# Altium PCB RobotCtrl_Func.PcbDoc (continued)
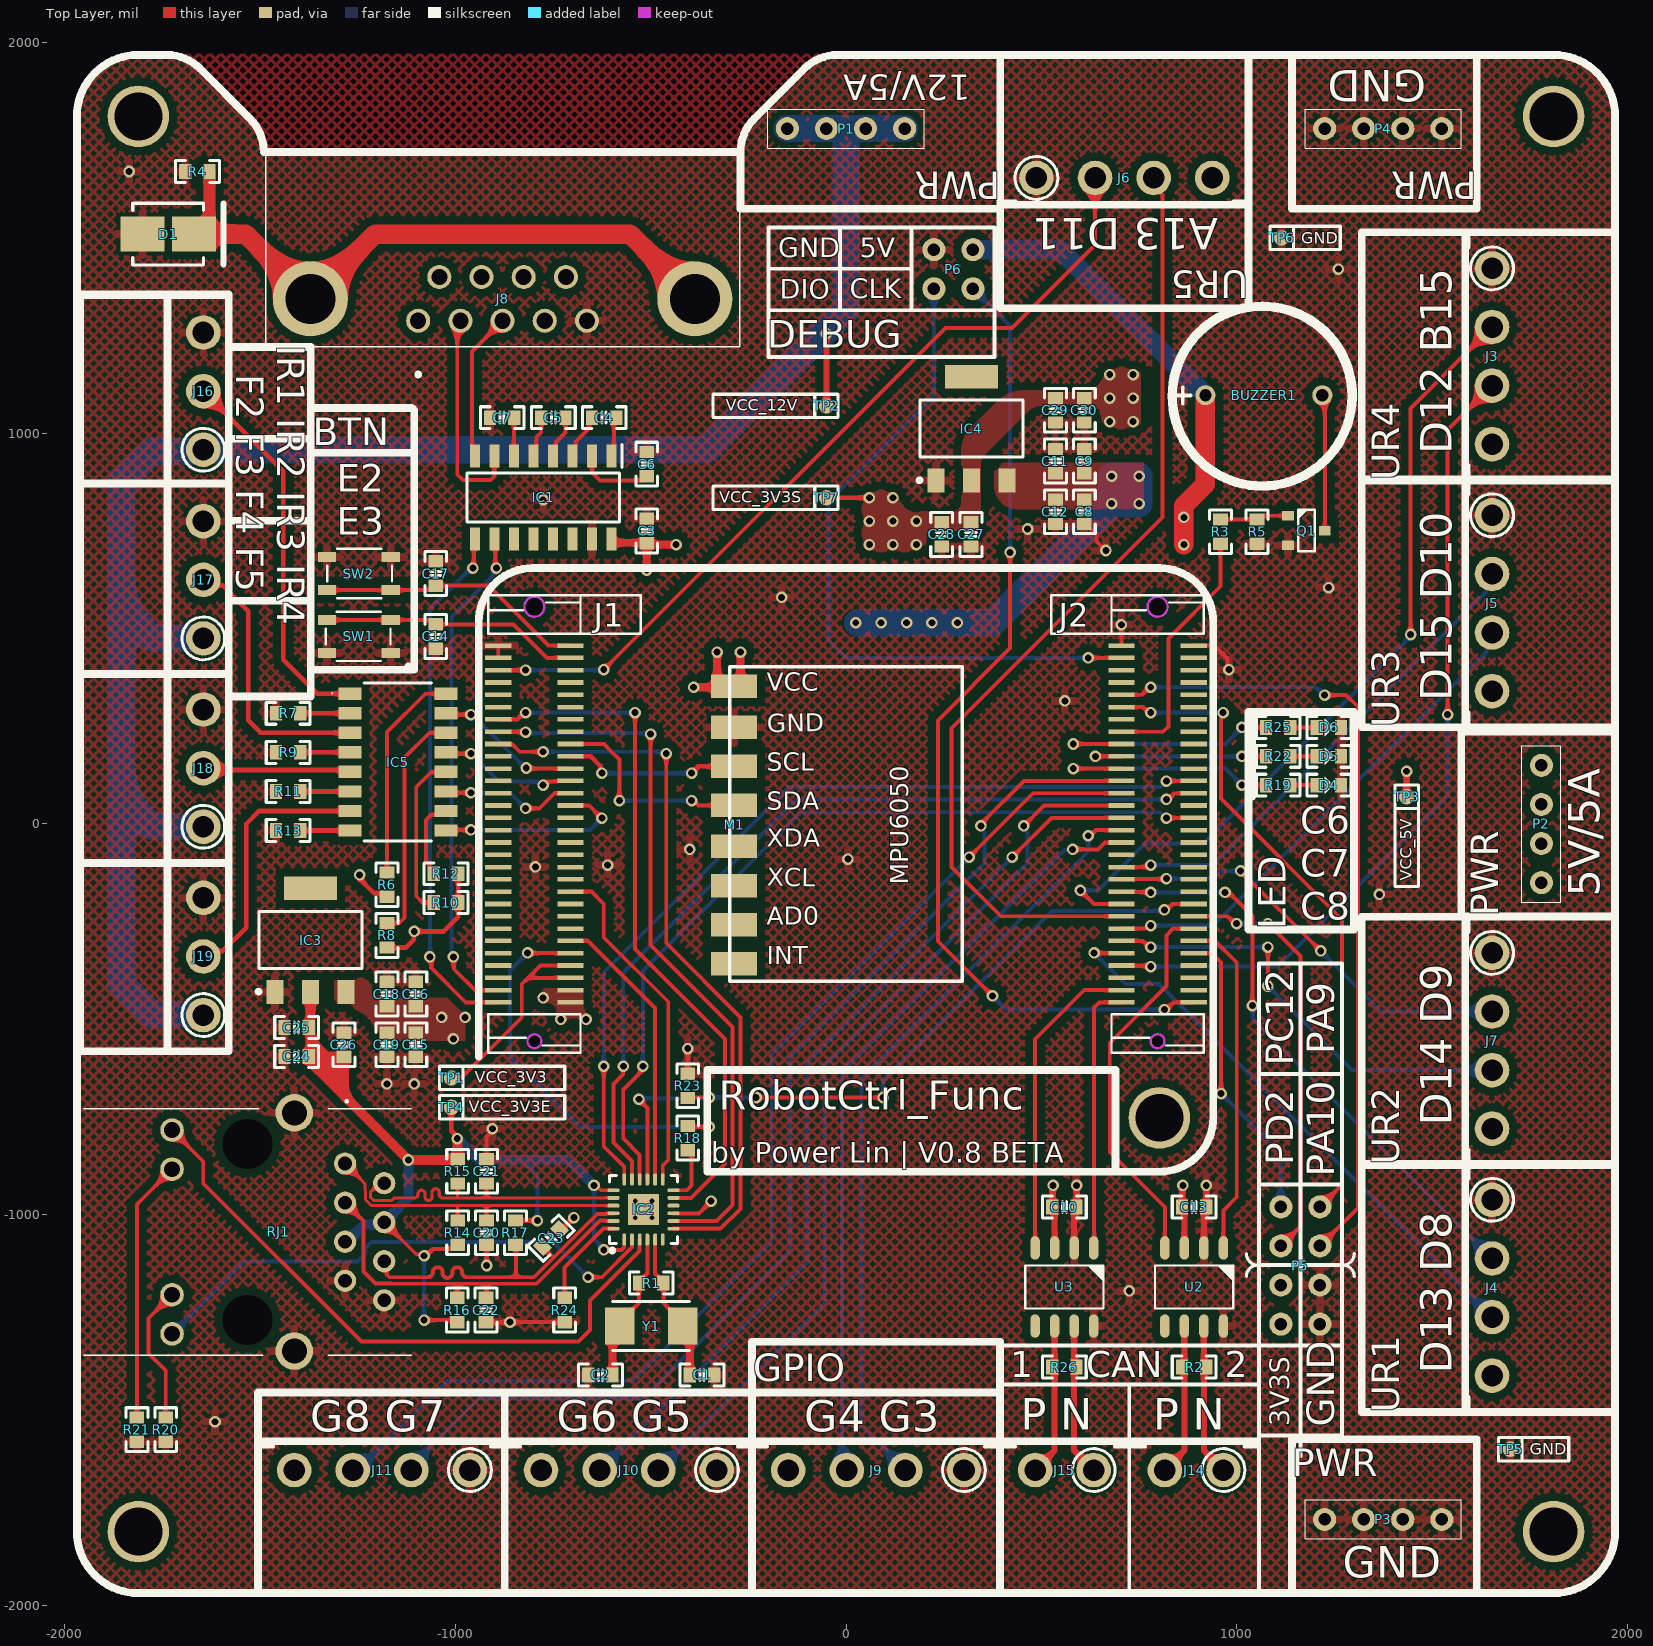
[diagram p0: Top Layer view]
## Footprints (in the part's own frame and the unit in brackets; to place one, negate y for a bottom-side part, rotate by r counter-clockwise, add the part's x,y. Pads: shape width x height; smd on the part's side, far side on the other; paste and mask are expansions set on the pad) (continued)
SMD5032-2P [mm]
  rect 1.9x2.4 smd: 1(-2.05,0) 2(2.05,0)
  silkscreen extent -2.5,-1.6 2.5,1.6, body extent -2.81,-1.6 2.81,1.6, height 1.5
SOIC-16_150mil [mm]
  rect 1.5x0.65 smd: 1(-2.7,4.445) 2(-2.7,3.175) 3(-2.7,1.905) 4(-2.7,0.635) 5(-2.7,-0.635) 6(-2.7,-1.905) 7(-2.7,-3.175) 8(-2.7,-4.445) 9(2.7,-4.445) 10(2.7,-3.175) 11(2.7,-1.905) 12(2.7,-0.635) 13(2.7,0.635) 14(2.7,1.905) 15(2.7,3.175) 16(2.7,4.445)
  silkscreen extent -3.45,-4.95 1.6,5.12, body extent -3,-4.95 3,4.95, height 1.75
SOIC_8 [mil]
  oval 24x60 smd: 1(-75,-100.02) 2(-25,-100.02) 3(25,-100.02) 4(75,-100.02) 5(75,99.98) 6(25,99.98) 7(-25,99.98) 8(-75,99.98)
  silkscreen extent -100,-55 100,55, body extent -96,-118 96,118, height 69
SOT-23-3 [mil]
  rect 30x24 smd: 1(47,-38) 2(47,38) 3(-47,0)
  silkscreen extent -21,-53 21,53, body extent -55,-57 55,57, height 51
SOT-223 [mm]
  rect 1.1x1.55 smd: 1(-2.91,-3.197) 2(-0.61,-3.197) 3(1.69,-3.197)
  rect 3.45x1.55 smd: 4(-0.61,3.553)
  silkscreen extent -4.11,-3.3 2.74,2.03, body extent -3.88,-3.38 2.62,3.58, height 1.7
TestPoint [mm]
  round 1 smd: 1(0,0)
"Through Hole,P=2.77mm" [mil]
  round 61.46 hole 40.98: 1(0,0) 2(-107.99,0) 3(-215.98,0) 4(-323.98,0) 5(-431.97,0) 6(-54.02,-111.97) 7(-162.01,-111.97) 8(-270,-111.97) 9(-377.99,-111.97)
  round 192.01 hole 128: MH1(-707.99,-55.98) MH2(276.02,-55.98)
  silkscreen extent -822,-430 391,141, body extent -826,-679 394,65, height 477

## Part data
BUZZER1: library part BUZZER, "YS-MBZ12095DYB05 有源蜂鸣器"
C1 C2 C3 C4 C5 C6 C7 C8 C9 C10 C11 C12 C13 C14 C15 C16 C17 C18 C19 C20 C21 C22 C23 C24 C25 C26 C27 C28 C29 C30: library part CAP, "贴片电容", Package=0402, SuppliersPartNumber=C52923, ComponentLink1Description=供应商链接, ComponentLink1URL=http://www.szlcsc.com/product/details_53938.html, Supplier=LC
D1: library part TVS_C
D4 D5 D6: library part LED, "发光二极管", Package=0603, SuppliersPartNumber=C2290, ComponentLink1Description=供应商链接, ComponentLink1URL=http://www.szlcsc.com/product/details_2663.html, Supplier=LC
IC1: library part SP3232EEN, "RS232 芯片", Manufacturer_Name=MaxLinear, Mouser Part Number=701-SP3232EEN-L/TR, Arrow Part Number=SP3232EEN-L/TR, Arrow Price/Stock=https://www.arrow.com/en/products/sp3232een-ltr/maxlinear-inc, Datasheet Link=https://www.maxlinear.com/ds/sp3222e_sp3232e.pdf, Height=1.75mm, Manufacturer_Part_Number=SP3232EEN-L/TR, Mouser Price/Stock=https://www.mouser.co.uk/ProductDetail/MaxLinear/SP3232EEN-L-TR?qs=Hy8V1%2FADhVKNh9v9NvoeCw%3D%3D
IC2: "Integrated Circuit", Manufacturer_Name=Microchip, Mouser Part Number=886-LAN8720A-CP-TR, Arrow Part Number=LAN8720A-CP-TR, Arrow Price/Stock=https://www.arrow.com/en/products/lan8720a-cp-tr/microchip-technology?region=nac, Datasheet Link=https://componentsearchengine.com/Datasheets/1/LAN8720A-CP-TR.pdf, Height=1mm, Manufacturer_Part_Number=LAN8720A-CP-TR, Mouser Price/Stock=https://www.mouser.co.uk/ProductDetail/Microchip-Technology/LAN8720A-CP-TR?qs=pA5MXup5wxG3QiSvrqf%2FHQ%3D%3D
IC3 IC4: library part AMS1117, "AMS1117-3.3 1.0A", Manufacturer_Name=Nexperia, Manufacturer_Part_Number=SI2302DS, Mouser Part Number=N/A, RS Part Number=7983053P, Datasheet Link=https://assets.nexperia.com/documents/data-sheet/SI2302DS.pdf, Height=1.1mm, Mouser Price/Stock=https://www.mouser.com/Search/Refine.aspx?Keyword=N%2FA, RS Price/Stock=http://uk.rs-online.com/web/p/products/7983053P
IC5: "Integrated Circuit", Manufacturer_Name=Lite-On, Mouser Part Number=859-LTV-247, Arrow Part Number=LTV-247, Arrow Price/Stock=https://www.arrow.com/en/products/ltv-247/lite-on-technology?region=nac, Datasheet Link=http://optoelectronics.liteon.com/upload/download/DS70-2009-0014/LTV-2X7%20sereis%20Mar17.PDF, Height=2.42mm, Manufacturer_Part_Number=LTV-247, Mouser Price/Stock=https://www.mouser.co.uk/ProductDetail/Lite-On/LTV-247?qs=9ayhpukWNmvWpoxQBzWkFA%3D%3D
J1 J2: library part 3710M/F, "B2B Connector", System=Connector
J3 J4 J5 J6 J7 J9 J10 J11: "TERM BLOCK HDR 4POS 90DEG 3.81MM", Color=Green, Current - UL=10A, Manufacturer="Amphenol Anytek", Manufacturer Part Number=OQ0432510000G, Operating Temperature="-40°C ~ 115°C", Voltage - UL=300V, Component Type=接线端子, ComponentLink1Description=Datasheet, ComponentLink1URL=http://portal.fciconnect.com/Comergent//fci/drawing/oqxx32x100j0g.pdf, Contact Mating Finish=Tin, Header Orientation="90°, Right Angle", LastUpdated="2019-12-16 19:15:03.463", Lifecycle Status=0, Minimum Order=1, Mounting Type="Through Hole", Number of Levels=1, Number of Positions=4, Packaging=Bulk, Part Number=OQ0432510000G, Part Status=Active, Pitch="0.150\" (3.81mm)", Positions Per Level=4, Price=0.71, Series=06-381, Termination Style=Solder, Type="Header, Male Pins, Shrouded (4 Side)"
J8: library part DB9, "D-Sub 连接器", Arrow Part Number=5747844-5, Manufacturer_Name="TE Connectivity", Mouser Part Number=571-5747844-5, Arrow Price/Stock=https://www.arrow.com/en/products/5747844-5/te-connectivity, Datasheet Link=http://www.te.com/commerce/DocumentDelivery/DDEController?Action=srchrtrv&DocNm=82068_AMPLIMITE_Right-Angle_Posted_Conn&DocType=Catalog+Section&DocLang=English&PartCntxt=, Height=12.9286mm, Manufacturer_Part_Number=5747844-5, Mouser Price/Stock=https://www.mouser.co.uk/ProductDetail/TE-Connectivity/5747844-5?qs=x6EjVpvqMVPrkQsJHUlJGw%3D%3D
J14 J15: "TERM BLOCK HDR 2POS 90DEG 3.81MM", Color=Green, Current - UL=10A, Manufacturer="Amphenol Anytek", Manufacturer Part Number=OQ0232510000G, Operating Temperature="-40°C ~ 115°C", Voltage - UL=300V, Component Type=接线端子, ComponentLink1Description=Datasheet, ComponentLink1URL=http://portal.fciconnect.com/Comergent//fci/drawing/oqxx32x100j0g.pdf, Contact Mating Finish=Tin, Header Orientation="90°, Right Angle", LastUpdated="2019-12-16 19:14:30.110", Lifecycle Status=0, Minimum Order=1, Mounting Type="Through Hole", Number of Levels=1, Number of Positions=2, Packaging=Bulk, Part Number=OQ0232510000G, Part Status=Active, Pitch="0.150\" (3.81mm)", Positions Per Level=2, Price=0.49, Series=06-381, Termination Style=Solder, Type="Header, Male Pins, Shrouded (4 Side)"
J16 J17 J18 J19: "TERM BLOCK HDR 3POS 90DEG 3.81MM", Color=Green, Current - UL=10A, Manufacturer="Amphenol Anytek", Manufacturer Part Number=OQ0332510000G, Operating Temperature="-40°C ~ 115°C", Voltage - UL=300V, Component Type=接线端子, ComponentLink1Description=Datasheet, ComponentLink1URL=http://portal.fciconnect.com/Comergent//fci/drawing/oqxx32x100j0g.pdf, Contact Mating Finish=Tin, Header Orientation="90°, Right Angle", LastUpdated="2019-12-16 19:14:45.877", Lifecycle Status=0, Minimum Order=1, Mounting Type="Through Hole", Number of Levels=1, Number of Positions=3, Packaging=Bulk, Part Number=OQ0332510000G, Part Status=Active, Pitch="0.150\" (3.81mm)", Positions Per Level=3, Price=0.53, Series=06-381, Termination Style=Solder, Type="Header, Male Pins, Shrouded (4 Side)"
M1: "MPU6050 陀螺仪"
P1 P2 P3 P4 P5 P6: "Header"
  P1 P2 P3 P4: System=Connector
Q1: library part BJT_NPN
R1 R2 R3 R4 R5 R14 R15 R16 R17 R18 R19 R20 R21 R22 R23 R24 R25 R26: library part RES, "贴片电阻", Package=0805, SuppliersPartNumber=C17798, Supplier=LC
R6 R7 R8 R9 R10 R11 R12 R13: library part RES, "216R~540R, higer is better", Package=0805, SuppliersPartNumber=C17798, Supplier=LC
RJ1: library part RJ45_LED, "内置变压器的RJ45"
SW1 SW2: "按键开关"
TP1 TP2 TP3 TP4 TP5 TP6 TP7: "测试点"
U2 U3: "CAN 控制器（5V）"
Y1: library part Crystal, "TAXM25M2QLFCDT1T", Package=SMD-3215_2P, SuppliersPartNumber=C32346, ComponentLink1Description=供应商链接, ComponentLink1URL=http://www.szlcsc.com/product/details_33310.html, Supplier=LC

## Free pads (board coordinates)
  round 39.37 hole 39.37: 0(-797.48,-556.1) 0(797.48,-556.1)
  round 51.18 hole 51.18: 0(-797.48,556.1) 0(797.48,556.1)
  round 157.48 hole 122.05: 0(802.2,-752.2) 2(-1811.02,-1811.02) 2(-1811.02,1811.02) 2(1811.02,-1811.02) 2(1811.02,1811.02)

## Via types
v1: diameter 29.53, hole 17.72, Top Layer to Bottom Layer, 153 vias
v2: diameter 23.86, hole 11.81, Top Layer to Bottom Layer, 4 vias

## Nets (pads, with @x,y where several pads share a name; then routed paths per layer and width w, separated by ;. In a path a pad name is that pad's centre, name@x,y a point inside that pad or via, vN(x,y) a via of type N, cw(c..) or ccw(c..) an arc to the next point about the centre after c; other vN are vias at no path point)
CAN1_N: J14.2 R2.2 U2.6 | length 389.2
  Top Layer w15: J14.2 866,-1603.5 U2.6
CAN1_P: J14.1 R2.1 U2.7 | length 389.2
  Top Layer w15: U2.7 916,-1603.5 J14.1
CAN2_N: J15.2 R26.2 U3.6 | length 389.2
  Top Layer w15: J15.2 534,-1603.5 U3.6
CAN2_P: J15.1 R26.1 U3.7 | length 389.2
  Top Layer w15: U3.7 584,-1603.5 J15.1
GND: C1.1 C2.1 C3.1 C6.1 C7.1 C8.1 C9.1 C10.1 C11.1 C12.1 C13.1 C14.1 C15.1 C16.1 C17.1 C18.1 C19.1 C20.1 C21.1 C22.1 C23.1 C24.1 C25.1 C26.1 C27.1 C28.1 C29.1 C30.1 D1.1 D4.2 D5.2 D6.2 IC1.15 IC2.25 IC3.1 IC4.1 J1.31 J1.32 J2.30 J2.31 J3.1 J4.1 J5.1 J6.1 J7.1 J8.5 J9.1 J10.1 J11.1 J16.3 J17.3 J18.3 J19.3 M1.2 P3.1 P3.2 P3.3 P3.4 P4.1 P4.2 P4.3 P4.4 P5.1 P5.3 P6.1 Q1.2 R4.1 R5.1 R7.2 R9.2 R11.2 R13.2 R20.1 R21.1 R23.2 R24.2 RJ1.7 RJ1.8 RJ1.MH1 RJ1.MH2 SW1.2 SW2.2 TP5.1 TP6.1 U2.2 U2.8 U3.2 U3.8 | length 1084.3
  Top Layer w10: C22.1 v1(-860,-1275) R24.2 ; v1(-920,-1130) C20.1 ; C21.1 -920,-800.28 -905,-785.28 v1(-905,-780) ; J1.32 J1.31 ; C23.1 -727.27,-1038.01 v1(-696.58,-1007.31) ; R23.2 v1(-405,-575) ; C8.1 613.15,767.91 641.26,739.8 641.26,723.74 v1(665,700) ; J2.31 J2.31 v1(705,510) ; J2.30 943.31,456.69 976.26,423.74 976.26,398.74 v1(980,395)
  Top Layer w15: U3.2 584,-986.6 C10.1 ; v1(590,-925) 590.05,-925.05 590.05,-980.45 C10.1 ; C10.1@590.35,-980.25 C10.1 ; U2.2 916,-986.6 C13.1@922.35,-980.25 ; v1(922,-925) 922.05,-925.05 C13.1@922.05,-980.45
  other v1: -1615,-1530 725,-1195 -1175,-665 -1105,-665 1365,-180 -795,-110 -610,-105 5,-90 -400,-65 560,315 -165,580 1235,605 465,755 -775,830 1260,1420 -1835,1670
  other v2: -539.88,-1008.2 -496.57,-1008.2 -539.88,-964.9 -496.57,-964.9
IR1: IC5.1 J16.2 | length 978.8
  Top Layer w12: J16.2 -1440,903 -1440,420 -1353.36,333.36 IC5.1
IR2: IC5.3 J17.2 | length 701.2
  Top Layer w12: J17.2 -1630.45,610.45 -1595.45,610.45 -1530,545 -1530,265 -1498.36,233.36 IC5.3
IR3: IC5.5 J18.2 | length 379
  Top Layer w12: J18.2 -1640.18,138.18 -1274.82,138.18 IC5.5
IR4: IC5.7 J19.2 | length 684.5
  Top Layer w12: J19.2 -1630.95,-324.95 -1594.95,-324.95 -1535,-265 -1535,0 -1501.64,33.36 IC5.7
LED_LINK: IC2.3 RJ1.9 | length 1624.2
  Top Layer w10: RJ1.9 -1645,-863.35 -1645,-920 -1240,-1325 -685,-1325 -655,-1295 -655,-1220 -528.07,-1093.07 IC2.3
LED_SPEED: IC2.2 RJ1.12 | length 1372.1
  Top Layer w10: v1(-660,-1160) -625,-1160 -547.76,-1082.76 IC2.2
  Bottom Layer w10: RJ1.12 -1540,-1120 -1250,-1120 -1230,-1100 -1230,-1085 -1215,-1070 -750,-1070 v1(-660,-1160)
NetBUZZER1_2: BUZZER1.2 Q1.3 | length 349
  Top Layer w10: BUZZER1.2@1219.61,1097.57 1225.5,1091.68 Q1.3
NetC4_1: C4.1 IC1.3 | length 118.5
  Top Layer w10: IC1.3 -692.2,949.99 -692.2,977.8 -657.93,1012.07 -657.93,1032.07 C4.1
NetC4_2: C4.2 IC1.1 | length 102.9
  Top Layer w10: IC1.1 -594.26,947.94 -594.26,1033.53 C4.2
NetC5_1: C5.1 IC1.5 | length 106.1
  Top Layer w10: IC1.5 -792.53,949.67 -792.53,989.99 -780,1002.52 C5.1
NetC5_2: C5.2 IC1.4 | length 111.1
  Top Layer w10: IC1.4 -742.2,949.99 -742.2,977.8 -717.8,1002.2 C5.2
NetC6_2: C6.2 IC1.2 | length 195.2
  Top Layer w10: IC1.2 -650,900 -629.25,879.25 -520.75,879.25 C6.2
NetC7_2: C7.2 IC1.6 | length 98.3
  Top Layer w10: IC1.6 -850,1038.9 C7.2
NetD1_2: D1.2 J8.MH1 J8.MH2 R4.2 | length 1660.4
  Top Layer w30: D1.2 -1658.19,1510 -1628.9,1539.29 R4.2
  Top Layer w50: D1.2@-1658.19,1510 -1537.01,1510 J8.MH2 -1205.04,1510 -552.99,1510 J8.MH1
NetD4_A: D4.1 R19.1 | length 67.7
  Top Layer w10: R19.1 D4.1
NetD5_A: D5.1 R22.1 | length 67.7
  Top Layer w10: R22.1 D5.1
NetD6_A: D6.1 R25.1 | length 67.7
  Top Layer w10: R25.1 D6.1
NetIC2_12: IC2.12 R18.1 | length 145.7
  Top Layer w10: IC2.12 -407.34,-937.34 -395,-925 -395,-845 R18.1
NetIC2_24: IC2.24 R24.1 | length 235
  Top Layer w10: R24.1@-720,-1203.9 -720,-1135 -620.76,-1035.76 IC2.24
NetIC5_2: IC5.2 R7.1 | length 126.8
  Top Layer w12: R7.1 IC5.2
NetIC5_4: IC5.4 R9.1 | length 126.8
  Top Layer w12: R9.1 IC5.4
NetIC5_6: IC5.6 R11.1 | length 126.8
  Top Layer w12: R11.1 IC5.6
NetIC5_8: IC5.8 R13.1 | length 126.8
  Top Layer w12: R13.1 IC5.8
NetIC5_9: IC5.9 R6.2 | length 551
  Top Layer w10: R6.2 -1175,235 -1076.64,333.36 IC5.9
NetIC5_11: IC5.11 R8.2 | length 593.1
  Top Layer w10: R8.2 -1144.07,-254.07 -1130,-240 -1130,170 -1066.64,233.36 IC5.11
NetIC5_13: IC5.13 R10.2 | length 423.7
  Top Layer w10: R10.2 -1083.83,-201.17 -1100,-185 -1100,95 -1062.61,132.39 -1024.9,132.39 IC5.13
NetIC5_15: IC5.15 R12.2 | length 206.3
  Top Layer w10: R12.2 -1065.75,-116.54 -1065.75,-104.25 -1075,-95 -1075,10 -1061.03,23.97 -1033.33,23.97 IC5.15
NetQ1_1: Q1.1 R3.2 R5.2 | length 177
  Top Layer w10: R3.2 R5.2 1061.75,789 Q1.1
NetR20_2: R20.2 RJ1.11 | length 356.9
  Top Layer w10: R20.2 -1741.12,-1398.88 -1785,-1355 -1785,-1265 RJ1.11
NetR21_2: R21.2 RJ1.10 | length 672.8
  Top Layer w10: R21.2 -1815,-973.35 RJ1.10
PA0: J1.7
PA1: IC2.14 J1.6 | length 726
  Top Layer w10: J1.6 -660.79,-299.21 -488.7,-471.3 IC2.14
PA2: J1.5 R18.2 | length 1034.4
  Top Layer w10: v1(-815,-330) -814.65,-330.35 -705.31,-330.35 J1.5 ; R18.2 -402.8,-775 v1(-350,-775)
  Bottom Layer w10: v1(-815,-330) -860,-375 -860,-595 -680,-775 v1(-350,-775)
PA3: J1.33 J6.2 | length 2146.5
  Top Layer w10: J1.33@-889.7,394 v1(-820,394) ; v1(-620,395) 255,1270 425,1270 637.4,1482.4 J6.2
  Bottom Layer w10: v1(-820,394) v1@-622.14,394
PA4: J1.34
PA5: J1.35
PA6: J1.36
PA7: IC2.11 J1.37 | length 1774.9
  Top Layer w10: J1.37 -841.54,267.72 -824.25,285 v1(-820,285) ; v1(-540,285) -540,-320 -310,-550 -310,-870 -397.02,-957.02 IC2.11
  Bottom Layer w10: v1(-820,285) v1(-540,285)
PA8: J2.37
PA9: J2.36 P5.7 | length 1685
  Top Layer w10: J2.36 760.5,299.21 774.72,285 v1(780,285) ; v1(965,285) 961.26,281.26 961.26,270.64 960,269.38 960,65 1270,-245 1270,-923 P5.7
  Bottom Layer w10: v1(780,285) v1(965,285)
PA10: J2.35 P5.5 | length 2053.9
  Top Layer w10: J2.35 757.2,330.71 776.49,350 v1(780,350) ; P5.5 1310,-983 1310,300 1280,330 v1(1225,330)
  Bottom Layer w10: v1(780,350) 1202.91,350 1222.91,330 v1(1225,330)
PA11: J2.34
PA12: J2.33
PA13: J2.32 P6.3 | length 1780.5
  Top Layer w10: v1(620,425) 620.1,425.1 704.86,425.1 J2.32
  Bottom Layer w10: P6.3 225,1095 -45,825 -45,470 0,425 v1(620,425)
PA14: J2.1 P6.4 | length 2521.1
  Top Layer w10: v1(375,-440) 235,-300 235,265 420,450 v1(420,695) ; v1(815,-475) 820.28,-475 838.59,-456.69 J2.1
  Bottom Layer w10: P6.4 420,1275 v1(420,695) ; v1(375,-440) 410,-475 v1(815,-475)
PA15: J2.2
PB0: J1.40
PB1: J1.41
PB2: J1.42
PB3: J2.21
PB4: J2.22
PB5: J2.23
PB6: J2.24
PB7: J2.25
PB8: J2.26
PB9: J2.27
PB10: IC1.10 J1.59 | length 1289.2
  Top Layer w10: v1(-1005,-340) -1003.95,-341.05 -1003.95,-371.05 -949.8,-425.2 J1.59 ; IC1.10 -897.5,727.1 -897.5,657.5 v1(-895,655)
  Bottom Layer w10: v1(-1005,-340) -1008.74,-336.26 -1008.74,-326.26 -1010,-325 -1010,530 -898.74,641.26 -898.74,651.26 v1(-895,655)
PB11: IC1.9 J1.60 | length 1358.9
  Top Layer w10: v1(-1065,-340) -1061.26,-343.74 -1061.26,-368.74 -973.31,-456.69 -891.81,-456.69 -890.91,-457.6 J1.60 ; v1(-955,655) -952.5,657.5 -952.5,727.1 IC1.9
  Bottom Layer w10: v1(-1065,-340) -1065,550 -960,655 v1(-955,655)
PB12: J2.60 U3.1 | length 690.9
  Top Layer w10: U3.1 635,-1084 635,-470 648.31,-456.69 J2.60
PB13: J2.59 U3.4 | length 807.1
  Top Layer w10: U3.4 484,-551 609.8,-425.2 J2.59
PB14: J2.58
PB15: J2.57 J3.3 | length 2115.4
  Top Layer w10: J2.57 705.87,-363.11 778.11,-363.11 v1(780,-365) ; v1(1540,280) 1540,1008.46 J3.3
  Bottom Layer w10: v1(780,-365) 1105,-365 1540,70 v1(1540,280)
PC0: J1.11
PC1: IC2.13 J1.10 | length 877.1
  Top Layer w10: J1.10 -651.77,-173.23 -620,-205 -620,-290 -455,-455 -455,-860 -469.02,-874.02 IC2.13
PC2: J1.9
PC3: J1.8
PC4: IC2.8 J1.38 | length 1853
  Top Layer w10: J1.38 -889.39,235.61 -820.61,235.61 v1(-820,235) ; v1(-500,230) -500,-310 -290,-520 -290,-975 -331.08,-1016.08 IC2.8
  Bottom Layer w10: v1(-820,235) -817.5,232.5 -502.5,232.5 v1(-500,230)
PC5: IC2.7 J1.39 | length 1876.4
  Top Layer w10: J1.39 -889.09,203.82 -853.82,203.82 -835,185 v1(-775,185) ; v1(-460,180) -460,-305 -270,-495 -270,-985 -320.76,-1035.76 IC2.7
  Bottom Layer w10: v1(-775,185) -470.28,185 -465.28,180 v1(-460,180)
PC6: J2.41 R19.2 | length 634.1
  Top Layer w10: v1(581.73,141.73) J2.41 ; v1(1013.23,99.34) R19.2
  Bottom Layer w10: v1(581.73,141.73) 970.84,141.73 v1(1013.23,99.34)
PC7: J2.40 R22.2 | length 503.6
  Top Layer w10: v1(638.2,173.23) J2.40 ; v1(1013.23,173.23) R22.2
  Bottom Layer w10: v1(638.2,173.23) v1(1013.23,173.23)
PC8: J2.39 R25.2 | length 634.1
  Top Layer w10: v1(581.73,204.72) J2.39 ; v1(1013.23,247.11) R25.2
  Bottom Layer w10: v1(581.73,204.72) 970.84,204.72 v1(1013.23,247.11)
PC9: J2.38 R3.1 | length 648.1
  Top Layer w10: J2.38 811.22,236.22 825,250 825,475 958.5,608.5 R3.1
PC10: J2.3
PC11: J2.4
PC12: J2.5 P5.8 | length 768.4
  Top Layer w10: J2.5 935.71,-330.71 960,-355 v1(960,-690)
  Bottom Layer w10: v1(960,-690) 1113,-843 P5.8
PC13: J1.25
PC14: J1.24
PC15: J1.23
PD0: J2.6 U2.1 | length 877.2
  Top Layer w10: J2.6 944.21,-299.21 1000,-355 1000,-955 966,-989 U2.1
PD1: J2.7 U2.4 | length 995.6
  Top Layer w10: U2.4 816,-981 675,-840 675,-560 820,-415 820,-285 837.28,-267.72 J2.7
PD2: J2.8 P5.6 | length 1077.9
  Top Layer w10: J2.8 976.69,-236.22 995.47,-255 v1(1000,-255) ; v1(1080,-255) 1163.06,-338.06 1163.06,-1029.94 P5.6
  Bottom Layer w10: v1(1000,-255) v1(1080,-255)
PD3: IC2.15 J2.9 R23.1 | length 1923.2
  Top Layer w10: v1(-530.08,-704.43) -530.08,-705.2 -508.39,-726.9 IC2.15 ; R23.1 -403.9,-700 v1(-350,-700) ; v1(-230,-700) v1(95,-700) ; v1(815,-220) 820.28,-220 835.42,-204.86 889.86,-204.86 J2.9
  Bottom Layer w10: v1(-530.08,-704.43) -527.86,-702.22 -352.22,-702.22 v1(-350,-700) v1(-230,-700) ; v1(95,-700) 95,-655 527.5,-222.5 812.5,-222.5 v1(815,-220)
PD4: J2.10
PD5: J2.11
PD6: J2.12
PD7: J2.13
PD8: J2.56 J4.3 | length 1478.1
  Top Layer w10: v1(635,-330) 635.35,-330.35 704.61,-330.35 J2.56 ; J4.3@1650.27,-1262 J4.3
  Bottom Layer w10: v1(635,-330) 715,-410 801.54,-410 J4.3
PD9: J2.55 J7.3 | length 1144.1
  Top Layer w10: J2.55 758.93,-299.21 774.72,-315 v1(780,-315) ; v1(1080,-415) v1(1080,-315)
  Bottom Layer w10: v1(780,-315) v1(1080,-315) ; v1(1080,-415) 1294.92,-629.92 J7.3
PD10: J2.54 J5.3 | length 1283.8
  Top Layer w10: J2.54 767,-267.72 774.72,-260 v1(780,-260)
  Bottom Layer w10: v1(780,-260) 940,-260 1639.85,439.85 1639.85,476.3 J5.3
PD11: J2.53 J6.3 | length 2483.8
  Top Layer w10: J2.53 396.22,-236.22 270,-110 270,245 810,785 810,1609.68 787.4,1632.28 J6.3
PD12: J2.52 J3.2 | length 2112
  Top Layer w10: v1(600,-170) 634.72,-204.72 J2.52 ; v1(1445,485) 1445,1063.46 J3.2
  Bottom Layer w10: v1(600,-170) 645,-170 765,-50 915,-50 1445,480 v1(1445,485)
PD13: J2.51 J4.2 | length 1491.8
  Top Layer w10: J2.51 705.85,-174.11 779.11,-174.11 v1(780,-175) ; v1(970,-175) 973.74,-178.74 983.74,-178.74 1040,-235 v1(1040,-465)
  Bottom Layer w10: v1(780,-175) v1(970,-175) ; v1(1040,-465) 1041.31,-466.31 1041.31,-499.76 J4.2
PD14: J2.50 J7.2 | length 1106.7
  Top Layer w10: J2.50 705.83,-140.87 819.13,-140.87 v1(820,-140) ; v1(1010,-120) v1(1215,-325)
  Bottom Layer w10: v1(820,-140) 940,-140 960,-120 v1(1010,-120) ; v1(1215,-325) 1369.92,-479.92 J7.2
PD15: J2.49 J5.2 | length 1277.8
  Top Layer w10: J2.49 769.48,-110.24 774.72,-105 v1(780,-105)
  Bottom Layer w10: v1(780,-105) 940,-105 1638.51,593.51 1638.51,624.96 J5.2
PE0: J2.28
PE1: J2.29
PE2: C17.2 J1.30 SW2.1 | length 691.6
  Top Layer w10: SW2.1@-1328.39,598.78 -1165,598.78 -1064.37,598.78 -1053.15,610 C17.2 -915,610 -761.69,456.69 J1.30
PE3: C14.2 J1.29 SW1.1 | length 663.7
  Top Layer w10: SW1.1@-1328.39,522.32 -1165,522.32 -1064.37,522.32 -1053.15,511.1 -851.1,511.1 -765.2,425.2 J1.29
PE4: J1.28
PE5: J1.27
PE6: J1.26
PE7: J1.50
PE8: J1.51
PE9: J1.52
PE10: J1.53
PE11: J1.54
PE12: J1.55
PE13: J1.56
PE14: J1.57
PE15: J1.58
PF0: J1.22 M1.4 | length 545
  Top Layer w10: J1.22 -619.72,204.72 -600,185 -580,165 v1(-580,60) ; v1(-395,60) -389.72,60 -377.22,47.5 M1.4
  Bottom Layer w10: v1(-580,60) v1(-395,60)
PF1: J1.21 M1.3 | length 452.3
  Top Layer w12: J1.21 -653.23,173.23 -628.35,148.35 -628.35,133.35 v1(-625,130) ; v1(-395,130) -377.5,147.5 M1.3
  Bottom Layer w12: v1(-625,130) v1(-395,130)
PF2: IC5.10 J1.20 | length 377.6
  Top Layer w10: IC5.10 -1020.58,280 v1(-960,280) ; v1(-818.37,143.37) -816.73,141.73 J1.20
  Bottom Layer w10: v1(-960,280) -957.5,280 -820.87,143.37 v1(-818.37,143.37)
PF3: IC5.12 J1.19 | length 354
  Top Layer w10: IC5.12 -1020.58,180 v1(-960,180) ; v1@-775,108.5 -774.13,109.37 -705.83,109.37 J1.19
  Bottom Layer w10: v1(-960,180) -888.5,108.5 -784.37,108.5 v1(-775.43,99.57)
PF4: IC5.14 J1.18 | length 353
  Top Layer w10: IC5.14 -1020.58,80 v1(-960,80) ; v1(-820,40) -785,40 -746.26,78.74 J1.18
  Bottom Layer w10: v1(-960,80) -860,80 v1(-820,40)
PF5: IC5.16 J1.17 | length 491.6
  Top Layer w10: IC5.16@-1010.16,-16.64 -1008.52,-15 v1(-960,-15) ; J1.17 -657.24,47.24 v1(-625,15)
  Bottom Layer w10: v1(-960,-15) -655,-15 v1(-625,15)
PF6: J1.16
PF7: J1.15
PF8: J1.14
PF9: J1.13
PF10: J1.12
PF11: J1.43
PF12: J1.44
PF13: J1.45
PF14: J1.46
PF15: J1.47
PG0: J1.48
PG1: J1.49
PG2: J2.48
PG3: J2.47 J9.3 | length 1981.9
  Top Layer w10: v1(580,-65) 645,-65 662.76,-47.24 J2.47
  Bottom Layer w10: J9.3 -10,-1641.5 -10,-635 558.95,-66.05 578.95,-66.05 v1(580,-65)
PG4: J2.46 J9.2 | length 2001
  Top Layer w10: v1(620,-30) 625.28,-30 639.54,-15.75 J2.46
  Bottom Layer w10: J9.2 40,-1541.5 40,-650 620,-70 v1(620,-30)
PG5: J2.45 J10.3 | length 2327.4
  Top Layer w10: v1(425,-85) 525.75,15.75 J2.45
  Bottom Layer w10: J10.3 -100,-1122.91 -100,-610 v1(425,-85)
PG6: J2.44 J10.2 | length 2315.9
  Top Layer w10: v1(455,-5) 507.24,47.24 J2.44
  Bottom Layer w10: J10.2 -55,-1227.91 -55,-619.39 465,-99.39 465,-20.28 455,-10.28 v1(455,-5)
PG7: J2.43 J11.3 | length 2966.2
  Top Layer w10: v1(315,-85) 478.74,78.74 J2.43
  Bottom Layer w10: J11.3 -1248.5,-1653.5 -1020,-1425 -545,-1425 -190,-1070 -190,-590 v1(315,-85)
PG8: J2.42 J11.2 | length 2917.2
  Top Layer w10: v1(345,-5) 345,0 455.24,110.24 J2.42
  Bottom Layer w10: J11.2 -1112.5,-1642.5 -940,-1470 -520,-1470 -143.02,-1093.02 -143.02,-598.02 355,-100 355,-20.28 345,-10.28 v1(345,-5)
PG9: J2.14
PG10: J2.15
PG11: IC2.16 J2.16 | length 2157.1
  Top Layer w10: IC2.16 -528.07,-846.93 -570,-805 -570,-680 -523.74,-633.74 -523.74,-623.74 v1(-520,-620) ; v1(820,15) 820.37,15.37 889.63,15.37 J2.16
  Bottom Layer w10: v1(-520,-620) -520,-375 -115,30 804.38,30 819.38,15 v1(820,15)
PG12: J2.17
PG13: IC2.17 J2.18 | length 2199
  Top Layer w10: v1(-570,-620) -571.05,-621.05 -571.05,-641.05 -595,-665 -595,-815 -547.76,-862.24 IC2.17@-547.76,-899.03 ; v1(820,63) 825.28,63 841.02,78.74 J2.18
  Bottom Layer w10: v1(-570,-620) -570,-380 -127,63 v1(820,63)
PG14: IC2.18 J2.19 | length 2264.6
  Top Layer w10: v1(-620,-620) -620,-825 -567.44,-877.56 IC2.18 ; v1(820,110) 820.12,110.12 889.88,110.12 J2.19
  Bottom Layer w10: v1(-620,-620) -620,-380 -145,95 804.38,95 819.38,110 v1(820,110)
PG15: J2.20
RD_N: C23.2 IC2.22 R17.1 RJ1.6 | length 874.7
  Top Layer w10: RJ1.6 -1175,-1126.26 -1175,-1154.14 -1169.14,-1160 -1075,-1160 -1070,-1160 ccw(c-1070,-1147.5) -1057.5,-1147.5 -1057.5,-1146.85 cw(c-1045,-1146.85) -1032.5,-1146.85 -1032.5,-1149.28 ccw(c-1020,-1149.28) -1007.5,-1149.28 -1007.5,-1146.85 cw(c-995,-1146.85) -982.5,-1146.85 -982.5,-1147.5 ccw(c-970,-1147.5) -970,-1160 -923.8,-1160 -845,-1160 ; R17.1 -845,-1078.32 -845,-1160 ; C23.2 -749.36,-1109.62 -749.36,-1110.64 ; IC2.22 -595.08,-996.47 -614.39,-996.47 -615.77,-997.85 -636.57,-997.85 -749.36,-1110.64 ; -845,-1160 -798.73,-1160 -749.36,-1110.64
RD_P: C22.2 IC2.23 R16.1 RJ1.3 | length 978
  Top Layer w10: RJ1.3 -1235,-1016.26 -1235,-1145 -1204.29,-1175.71 -1164.08,-1175.71 -1163.01,-1176.78 -995,-1176.78 ; R16.1 -995,-1176.78 ; C22.2 -920,-1211.68 -920,-1176.78 ; IC2.23@-605.75,-1016 -614.39,-1016 -615.77,-1014.62 -629.62,-1014.62 -791.78,-1176.78 -920,-1176.78 ; -995,-1176.78 -920,-1176.78
RS232_RX: IC1.8 J8.3 | length 381.2
  Top Layer w10: IC1.8 -957.25,949.45 -957.25,1209.8 J8.3
RS232_TX: IC1.7 J8.2 | length 553.9
  Top Layer w10: J8.2 -995,1280.04 -995,895 -980,880 -910,880 -900,890 IC1.7
TD_N: C21.2 IC2.20 R15.1 RJ1.2 | length 829.5
  Top Layer w8: RJ1.2 -1194.17,-919.17 -1216.66,-941.66 -1216.66,-956.06 -1210.66,-962.05 -1209,-963.71 -1163.02,-963.71 -1157.87,-958.56 -1156.34,-957.02 -1104.21,-957.02 ccw(c-1104.21,-948.02) -1095.21,-948.02 -1095.21,-946.28 cw(c-1086.21,-946.28) -1077.21,-946.28 -1077.21,-954.71 ccw(c-1068.21,-954.71) -1059.21,-954.71 -1059.21,-942.46 cw(c-1050.21,-942.46) -1041.21,-942.46 -1041.21,-948.02 ccw(c-1032.21,-948.02) -1032.21,-957.02 -1010.21,-957.02 -995,-957.02 ; R15.1 -993.88,-955.91 -995,-957.02 ; C21.2 -920,-957.02 ; IC2.20 -920,-957.02 ; -995,-957.02 -920,-957.02
TD_P: C20.2 IC2.21 R14.1 RJ1.1 | length 832
  Top Layer w8: RJ1.1 -1231.31,-919.95 -1231.31,-935.31 -1229.66,-936.97 -1229.66,-961.44 -1216.05,-975.05 -1214.39,-976.71 -995,-976.71 ; R14.1 -993.88,-977.82 -995,-976.71 ; C20.2 -920,-976.71 ; IC2.21 -920,-976.71 ; -995,-976.71 -920,-976.71
VCC_3V3: J1.3 J1.4 TP1.1 | length 582.8
  Top Layer w10: TP1.1 -1007.97,-647.97 -982.97,-647.97 -830,-495 -830,-410 -813.7,-393.7 ; J1.3 -813.7,-393.7 ; J1.4 -782.2,-362.2 -813.7,-393.7
VCC_3V3E: C24.2 C25.2 C26.2 IC2.1 IC2.19 IC3.2 R14.2 R15.2 R16.2 R17.2 RJ1.4 RJ1.5 TP4.1 | length 3131.9
  Top Layer w10: RJ1.4 -1100,-1101.26 -1083.74,-1101.26 v1(-1080,-1105) -1074.72,-1105 -1057.67,-1087.95 -1004.63,-1087.95 R14.2 ; v1(-1080,-1270) -1000,-1270 R16.2 ; R17.2 v1(-790,-1015) ; v1(-645,-925) -639.72,-925 -627.38,-937.34 IC2.19 ; v1(-620,-1090) -575,-1090 -567.44,-1082.44 IC2.1
  Top Layer w12: TP4.1 -1010,-785.26 -995,-800.26 v1(-995,-805)
  Top Layer w25: C24.2 -1374.45,-595.55 C24.2@-1370.55,-595.55 ; IC3.2 -1370.55,-555 ; v1(-995,-805) -994.44,-805.56 -994.44,-857.24 R15.2 -996.09,-860 v1(-1120,-860) -1285,-695 ; C24.2@-1370.55,-595.55 -1370.55,-555 ; C24.2@-1370.55,-595.55 -1350.27,-595.55 ; C24.2@-1370.55,-595.55 -1370.55,-609.45 -1285,-695 ; -1370.55,-555 -1330,-595.55 ; -1350.27,-595.55 -1330,-595.55 ; -1350.27,-595.55 -1350.27,-609.73 -1340,-620 ; -1340,-620 -1330,-620 -1317.77,-607.77 ; -1340,-620 -1329.72,-630.27 ; -1330,-595.55 -1329.45,-596.1 ; -1330,-595.55 -1285.55,-595.55 C26.2 ; -1329.72,-630.27 -1317.77,-642.23 ; -1329.72,-630.27 -1317.77,-630.27 ; -1329.45,-596.1 -1317.77,-607.77 ; -1329.45,-596.1 C26.2 ; -1317.77,-642.23 -1317.77,-630.27 ; -1317.77,-642.23 -1308.89,-651.11 ; -1317.77,-630.27 -1317.77,-607.77 ; -1317.77,-630.27 -1295.27,-630.27 ; -1317.77,-607.77 -1295.27,-630.27 ; -1308.89,-651.11 -1308.89,-643.89 -1295.27,-630.27 ; -1308.89,-651.11 -1300,-660 -1285,-660 ; -1308.89,-651.11 -1296.11,-651.11 -1285,-640 ; -1295.27,-630.27 -1285.55,-640 -1285,-640 ; -1285,-695 -1285,-660 ; -1285,-660 -1285,-640 ; -1285,-640 C26.2
  Bottom Layer w10: v1(-1080,-1270) v1(-1080,-1105) ; -830,-860 -790,-900 v1(-790,-1015) ; v1(-645,-925) -645,-1062.3 v1@-620,-1087.3
  Bottom Layer w15: v1(-620,-1090) v1@-620,-1087.3
  Bottom Layer w25: RJ1.5 -1276.58,-1069.17 -1232.69,-1025.28 -1188.2,-1025.28 RJ1.4 -1120,-957.09 v1(-1120,-860) ; v1(-995,-805) -940,-860 -830,-860 -710,-860 v1(-645,-925)
VCC_3V3S: C3.2 C27.2 C28.2 C29.2 C30.2 IC1.16 IC2.9 IC4.2 J3.4 J4.4 J5.4 J6.4 J7.4 J9.4 J10.4 J11.4 M1.1 P5.2 P5.4 R6.1 R8.1 R10.1 R12.1 TP7.1 | length 1215.7
  Top Layer w10: IC2.9 -376.39,-996.39 v1(-345,-965)
  Top Layer w12: v1(-1245,-130) -1241.65,-133.35 -1241.65,-143.35 -1208.36,-176.64 -1184.75,-176.64 R6.1 ; R8.1 -1126.27,-316.27 -1106.17,-296.17 -1106.17,-276.17 v1(-1105,-275) -1030,-275 -992.8,-237.8 R10.1 R12.1 ; TP7.1 v1(60,835)
  Top Layer w20: IC1.16 -597.2,719.96 -518.9,719.96 C3.2 ; v1(-510,650) C3.2 ; v1(-435,715) -501.1,715 C3.2 ; v1(-390,350) -289.06,350 M1.1 ; v1(-330,440) -330,372.5 -310,352.5 M1.1 ; v1(-270,440) -270,369.06 M1.1
  other v1: 60,715 120,715 180,715 60,775 120,775 180,775 120,835 675,1030 735,1030 675,1090 735,1090 675,1150 735,1150
VCC_5V: BUZZER1.1 C8.2 C9.2 C10.2 C11.2 C12.2 C13.2 C15.2 C16.2 C18.2 C19.2 IC3.3 IC4.3 J1.1 J1.2 P2.1 P2.2 P2.3 P2.4 P6.2 TP3.1 U2.3 U3.3 | length 2602.7
  Top Layer w15: v1(530,-925) 528.95,-926.05 528.95,-979.45 C10.2 534,-986.6 U3.3 ; v1(862,-925) 860.95,-926.05 860.95,-979.45 C13.2 866,-986.6 U2.3 ; TP3.1 v1(1435,135)
  Top Layer w50: v1(865,715) v1(865,785) 865,815 920,870 BUZZER1.1
  Bottom Layer w50: P6.2 547.57,1470 BUZZER1.1
  Bottom Layer w70: v1@30,515 v1(90,515) 375,515 v1(680,820) ; v1(680,820) v1(750,820) v1(750,890) v1(680,890) v1(680,820)
  other v1: -1005,-550 -730,-500 -665,-500 -1035,-495 -975,-495 -775,-445 25,515 155,515 220,515 285,515
VCC_12V: J16.1 J17.1 J18.1 J19.1 P1.1 P1.2 P1.3 P1.4 TP2.1 | length 4999.1
  Top Layer w15: TP2.1 v1(-50,1255)
  Bottom Layer w70: J19.1@-1645.56,-488.44 -1775.56,-488.44 -1855,-409 -1855,73 ; J18.1@-1645.56,-6.44 -1775.56,-6.44 -1855,73 ; J17.1 -1645.56,475.56 -1775.56,475.56 -1855,555 ; P1.4 P1.3 0,1780 ; P1.1 P1.2 0,1780 ; -1855,73 -1855,555 ; -1855,555 -1855,875 -1775.56,954.44 -1648.56,954.44 J16.1 -357,958 -55,1260 0,1315 0,1455 0,1780
XTAL1: C1.2 IC2.5 R1.2 Y1.1 | length 383.6
  Top Layer w10: IC2.5 -488.7,-1150.59 -467.44,-1171.85 R1.2 -467.44,-1225.55 -417.83,-1275.16 Y1.1 Y1.1@-399.65,-1303.19
  Top Layer w20: C1.2 Y1.1@-399.65,-1303.19
XTAL2: C2.2 IC2.4 R1.1 Y1.2 | length 383.6
  Top Layer w10: Y1.2@-597.44,-1303.19 Y1.2 -579.25,-1275.16 -529.65,-1225.55 R1.1 -529.65,-1171.85 -508.39,-1150.59 IC2.4
  Top Layer w20: C2.2 Y1.2@-597.44,-1303.19
pads on no net: IC1.11 IC1.12 IC1.13 IC1.14 IC2.6 IC2.10 IC3.4 IC4.4 J8.1 J8.4 J8.6 J8.7 J8.8 J8.9 M1.5 M1.6 M1.7 M1.8 RJ1.MH3 RJ1.MH4 U2.5 U3.5

## Polygon pours and split planes (outlines as drawn)
VCC_3V3S on Top Layer "NONET_L01_P-001" (solid, pour order 5): 295,955 cw(c379.5,955) 319.75,1014.75 385.71,1080.71 cw(c456.42,1010) 456.42,1110 615,1110 ccw(c615,1150) 655,1150 cw(c675,1150) 675,1170 735,1170 cw(c735,1150) 755,1150 755,1030 cw(c735,1030) 735,1010 675,1010 cw(c675,1030) 655,1030 ccw(c615,1030) 615,1070 501.21,1070 ccw(c501.21,1018.79) 465,1055 356.61,946.61 ccw(c384.64,918.58) 345,918.58 345,855 295,880
GND on Top Layer "NONET_L01_P-001" (hatched 45Degree grid 20 track 8, pour order 8): 1968.5,-1811.02 cw(c1811.02,-1811.02) 1811.02,-1968.5 -1811.02,-1968.5 cw(c-1811.02,-1811.02) -1968.5,-1811.02 -1968.5,1811.02 cw(c-1811.02,1811.02) -1811.02,1968.5 1811.02,1968.5 cw(c1811.02,1811.02) 1968.5,1811.02
VCC_5V on Top Layer "NONET_L01_P-001" (solid, pour order 0): -775,-420 ccw(c-775,-445) -800,-445 -800,-455 ccw(c-730,-455) -730,-525 -665,-525 ccw(c-665,-500) -640,-500 -640,-450 ccw(c-670,-450) -670,-420
VCC_5V on Top Layer "NONET_L01_P-001" (solid, pour order 2): -975,-555 -975,-495 ccw(c-1025,-495) -1025,-445 -1155,-445 cw(c-1155,-384.64) -1197.68,-427.32 -1220,-405 ccw(c-1256.21,-441.21) -1256.21,-390 -1295,-390 ccw(c-1295,-405) -1310,-405 -1310,-460 ccw(c-1300,-460) -1300,-470 -1285,-470 cw(c-1285,-555) -1200,-555
VCC_3V3S on Top Layer "NONET_L01_P-001" (solid, pour order 4): 295,880 295,820 cw(c275,820) 275,800 175,800 cw(c175,835) 140,835 ccw(c120,835) 120,855 60,855 ccw(c60,835) 40,835 40,715 ccw(c60,715) 60,695 175,695 ccw(c175,725) 205,725 cw(c230,725) 230,750 345,750 345,880
VCC_5V on Top Layer "NONET_L01_P-001" (solid, pour order 7): 380,905 cw(c400,905) 400,925 780,925 780,805 440,805 cw(c440,865) 380,865
GND on Bottom Layer "NONET_L01_P-001" (hatched 45Degree grid 20 track 8, pour order 1): 1968.5,-1811.02 cw(c1811.02,-1811.02) 1811.02,-1968.5 -1811.02,-1968.5 cw(c-1811.02,-1811.02) -1968.5,-1811.02 -1968.5,1811.02 cw(c-1811.02,1811.02) -1811.02,1968.5 1811.02,1968.5 cw(c1811.02,1811.02) 1968.5,1811.02
VCC_3V3S on PWR (split plane): 165 vertices, not listed, extent -1948.47,-1948.47 1948.47,1948.47
VCC_5V on PWR (split plane): 1482.87,217.87 1484.96,216.26 1485.67,215.97 1487.39,215.26 1490,214.91 1814.91,214.91 1814.91,-214.91 1660,-214.91 1657.39,-215.26 1654.96,-216.26 1652.87,-217.87 880.82,-989.91 500.09,-989.91 500.09,-899.18 509.18,-890.09 835,-890.09 837.61,-889.74 840.04,-888.74 842.13,-887.13 1517.13,-212.13 1518.74,-210.04 1519.03,-209.33 1519.74,-207.61 1520.09,-205 1520.09,-75 1519.74,-72.39 1519.45,-71.68 1518.74,-69.96 1517.13,-67.87 1514.63,-65.37 650.09,799.18 650.09,919.91 780.82,919.91
VCC_5V on PWR (split plane): 329.91,414.18 -659.18,-574.91 -1054.91,-574.91 -1054.91,-484.18 -15.82,554.91 329.91,554.91
GND on GND (split plane): 165 vertices, not listed, extent -1948.47,-1948.47 1948.47,1948.47

## Other copper
PWR (plane layer: these items are gaps in the copper):
  lines w20: -1065,-585 -1065,-480 -20,565 340,565 340,410 -655,-585 -1065,-585 ; 490,-1000 490,-895 505,-880 835,-880 1510,-205 1510,-75 1507.5,-72.5 640,795 640,930 785,930 1490,225 1825,225 1825,-225 1660,-225 885,-1000 490,-1000

## Silkscreen, mask and mechanical layers (free items; w line width, h text height)
Top Overlay:
  drawing of 208 lines, arcs and shapes, not listed
  text "GND" at 1484.58,1929.75 h80 r180
  text "12V/5A" at 318.69,1917.49 h65 r180
  text "PWR" at 395,1692.91 h120 r180
  text "PWR" at 1614.17,1692.91 h120 r180
  text "A13 D11" at 952.42,1549.99 h80 r180
  text "GND" at 1165.01,1485 h30
  text "GND" at -173.15,1450.01 h50
  text "5V" at 34.85,1450.01 h50
  text "UR5" at 1030,1439.06 h120 r180
  text "CLK" at 9.85,1345.01 h50
  text "DIO" at -168.98,1343.97 h50
  text "IR1 IR2 IR3 IR4" at -1479.05,1225 h120 r270
  text "DEBUG" at -201.84,1195.95 h120
  text "F2 F3 F4 F5" at -1559.99,1150.71 h70 r270
  text "VCC_12V" at -307.47,1057.5 h30
  text "BTN" at -1365,945.95 h120
  text "D12 B15" at 1549.99,946.15 h80 r90
  text "UR4" at 1439.05,879.4 h120 r90
  text "E2" at -1303,850.01 h70
  text "VCC_3V3S" at -324.96,822.5 h30
  text "E3" at -1303,740.01 h70
  text "D15 D10" at 1549.99,314.15 h80 r90
  text "UR3" at 1439.05,247.4 h120 r90
  text "C6" at 1162.61,-24.99 h70
  text "C7" at 1162.61,-134.99 h70
  text "VCC_5V" at 1447.5,-144.97 h30 r90
  text "5V/5A" at 1929.75,-186.61 h80 r90
  text "PWR" at 1692.91,-236.22 h120 r90
  text "C8" at 1162.61,-244.99 h70
  text "LED" at 1149.06,-270 h120 r90
  text "PA9" at 1249.99,-589.15 h70 r90
  text "PC12" at 1144.99,-618.3 h70 r90
  text "VCC_3V3" at -949.97,-662.5 h30
  text "RobotCtrl_Func" at -326.09,-731.24 h75
  text "VCC_3V3E" at -964.96,-737.5 h30
  text "D14 D9" at 1549.99,-772.45 h80 r90
  text "PD2" at 1144.99,-873.3 h70 r90
  text "UR2" at 1439.05,-872.52 h120 r90
  text "by Power Lin | V0.8 BETA" at -345.31,-885 h90
  text "PA10" at 1249.99,-902.46 h70 r90
  text "D13 D8" at 1549.99,-1407.03 h80 r90
  text "1" at 420,-1439.06 h115
  text "CAN" at 614.97,-1439.06 h115
  text "2" at 970,-1439.06 h115
  text "GPIO" at -237.5,-1449.06 h120
  text "UR1" at 1439.05,-1507.5 h120 r90
  text "3V3S" at 1134.99,-1541.64 h50 r90
  text "GND" at 1249.99,-1543.3 h70 r90
  text "P N" at 446.79,-1549.99 h80
  text "P N" at 786.79,-1549.99 h80
  text "G8 G7" at -1371.7,-1554.99 h80
  text "G6 G5" at -739.79,-1554.99 h80
  text "G4 G3" at -106.61,-1554.99 h80
  text "GND" at 1750.01,-1615 h30
  text "PWR" at 1141.73,-1692.91 h120
  text "GND" at 1271.32,-1929.75 h80
Bottom Overlay:
  lines w20: -1958.7,-92 -1440,-92 ; -1958.7,390 -1440,390 ; -1958.7,872 -1440,872 ; -1958.7,1355 -1440,1355 ; -1956.46,-581.4 -1437.76,-581.4 -1437.76,-92 ; -1956.46,-99.4 -1437.76,-99.4 -1437.76,390 ; -1956.46,382.6 -1437.76,382.6 -1437.76,872 ; -1956.46,865.6 -1437.76,865.6 -1437.76,1355 ; -1736.46,-581.4 -1736.46,-97 ; -1736.46,-99.4 -1736.46,385 ; -1736.46,382.6 -1736.46,867 ; -1736.46,865.6 -1736.46,1350 ; -1505.1,-1964.96 -1505.1,-1446.26 -870.1,-1446.26 -870.1,-1964.96 ; -1505.1,-1744.96 -870.1,-1744.96 ; -873.18,-1964.96 -873.18,-1446.26 -238.18,-1446.26 -238.18,-1964.96 ; -873.18,-1744.96 -238.18,-1744.96 ; -274.53,1720 -1490,1720 ccw(c-1610.71,1720) -1525.36,1805.36 -1653.15,1933.15 ccw(c-1738.5,1847.79) -1738.5,1968.5 -1811.02,1968.5 ccw(c-1811.02,1811.02) -1968.5,1811.02 -1968.5,-1811.02 ccw(c-1811.02,-1811.02) -1811.02,-1968.5 1811.02,-1968.5 ccw(c1811.02,-1811.02) 1968.5,-1811.02 1968.5,1811.02 ccw(c1811.02,1811.02) 1811.02,1968.5 -21.5,1968.5 ccw(c-21.5,1847.79) -106.85,1933.15 -234.64,1805.36 ccw(c-149.29,1720) -270,1720 ; -240.6,-1964.96 -240.6,-1446.26 394.4,-1446.26 394.4,-1964.96 ; -240.6,-1744.96 394.4,-1744.96 ; 391.4,-1964.96 391.4,-1446.26 1060,-1446.26 1060,-1964.96 ; 391.4,-1744.96 1060,-1744.96 ; 395,1745 1030,1745 ; 395,1965 395,1446.3 1030,1446.3 1030,1965 ; 725,-1965 ccw(c723.31,-1963.31) 725.7,-1963.31 725.7,-1446.26 ; 1745,-1504.6 1745,-869.6 ; 1745,-872.52 1745,-237.52 ; 1745,247.4 1745,882.4 ; 1745,879.4 1745,1514.4 ; 1965,-1504.6 1446.3,-1504.6 1446.3,-869.6 1965,-869.6 ; 1965,-872.52 1446.3,-872.52 1446.3,-237.52 1965,-237.52 ; 1965,247.4 1446.3,247.4 1446.3,882.4 1965,882.4 ; 1965,879.4 1446.3,879.4 1446.3,1514.4 1965,1514.4
  text "A13 D11" at 470.08,1894.99 h80 r180
  text "UR5" at 395,1564.41 h120 r180
  text "UR4" at 1564.41,1514.4 h120 r90
  text "D12 B15" at 1894.99,1452.65 h80 r90
  text "F2" at -1889.99,1038.35 h80 r270
  text "UR3" at 1564.41,882.4 h120 r90
  text "IR1" at -1555.87,865.6 h120 r270
  text "D15 D10" at 1894.99,820.65 h80 r90
  text "F3" at -1889.99,555.35 h80 r270
  text "IR2" at -1555.87,382.6 h120 r270
  text "F4" at -1889.99,73.35 h80 r270
  text "IR3" at -1555.87,-99.4 h120 r270
  text "UR2" at 1564.41,-237.52 h120 r90
  text "D14 D9" at 1894.99,-332.59 h80 r90
  text "F5" at -1889.99,-408.65 h80 r270
  text "IR4" at -1555.87,-581.4 h120 r270
  text "UR1" at 1564.41,-869.6 h120 r90
  text "D13 D8" at 1894.99,-964.67 h80 r90
  text "GPIO3" at -870.1,-1564.37 h120
  text "GPIO2" at -238.18,-1564.37 h120
  text "GPIO1" at 394.4,-1564.37 h120
  text "CAN1" at 725,-1564.37 h120
  text "CAN2" at 1060,-1564.37 h120
  text "G8 G7" at -998.49,-1894.94 h80
  text "G6 G5" at -366.58,-1894.94 h80
  text "G4 G3" at 266.01,-1894.94 h80
  text "P N" at 666.63,-1894.99 h80
  text "P N" at 996.63,-1894.99 h80
Mechanical 1:
  the board outline again, w10

## Text inside footprints (layer, text, board x,y; h text height)
M1: Top Overlay "INT" at -202.56,-374.14 h80; Top Overlay "AD0" at -202.6,-273.8 h80; Top Overlay "XCL" at -202.5,-172.95 h80 r359; Top Overlay "XDA" at -202.52,-74.14 h80; Top Overlay "MPU6050" at 174.12,-154.86 h80 r90; Top Overlay "SDA" at -202.56,20.86 h80; Top Overlay "SCL" at -202.56,120.86 h80; Top Overlay "GND" at -201.64,219.54 h80 r1; Top Overlay "VCC" at -202.56,325.86 h80